# Altium PCB CarrierBoard.PcbDoc (part 1 of 2) (continued)
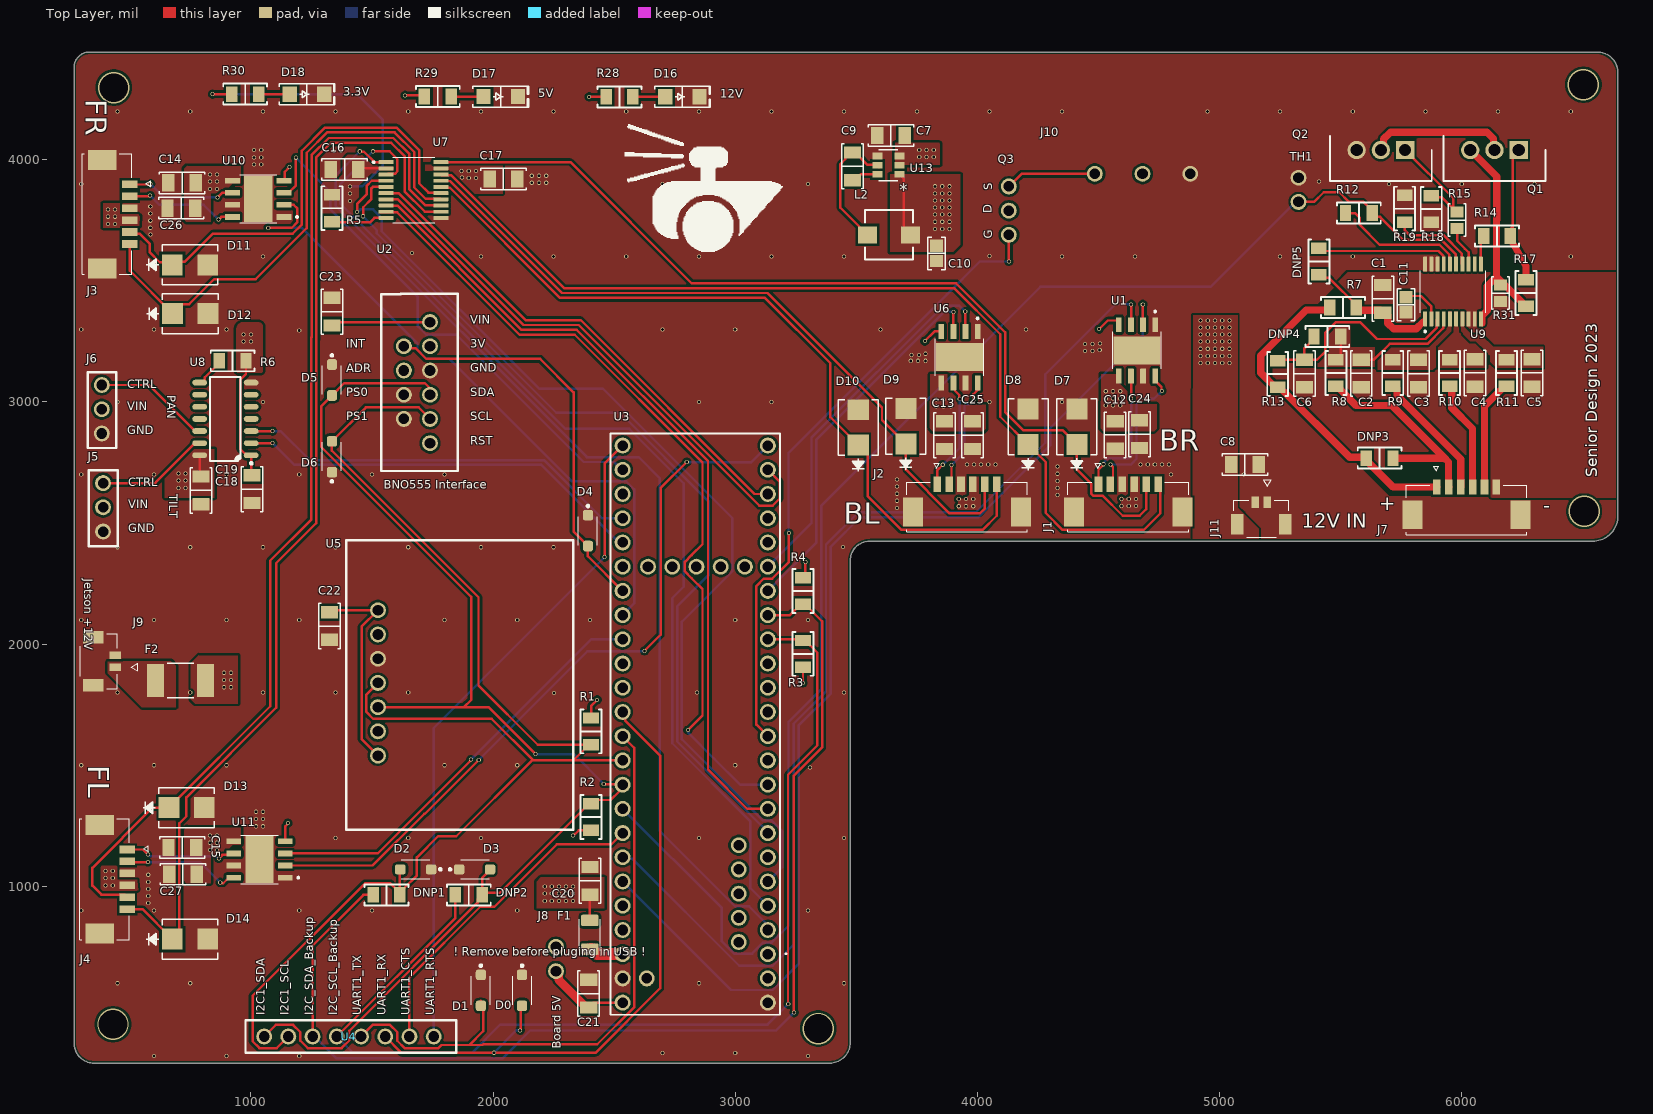
[diagram p0: Top Layer view]
## Footprints (in the part's own frame and the unit in brackets; to place one, negate y for a bottom-side part, rotate by r counter-clockwise, add the part's x,y. Pads: shape width x height; smd on the part's side, far side on the other; paste and mask are expansions set on the pad) (continued)
SMB_DIO [mm]
  rect 2.18x2.21 smd paste+0 mask+0: 1(-1.857,0) 2(1.857,0)
  silkscreen extent -4.57,-2.1 2.92,2.1, body extent -2.8,-1.97 2.8,1.97, height 2.45
SODFL3718X108N [mm]
  rrect50% 1.12x1.08 smd: A(1.6,0) C(-1.645,0)
  silkscreen extent -2.72,-1 1.5,1
SOIC_05WU-7_DIO [mm]
  rect 1.016x0.7 smd paste+0 mask+0: 1(-1.302,0.95) 2(-1.302,0) 3(-1.302,-0.95) 4(0.997,-0.95) 5(0.997,0) 6(0.997,0.95)
  silkscreen extent -1.1,-1.63 0.85,1.63, body extent -1.52,-1.52 1.27,1.47, height 0.99
SOP65P640X120-20N [mm]
  rrect25% 1.57x0.41 smd: 1(-2.87,2.925) 2(-2.87,2.275) 3(-2.87,1.625) 4(-2.87,0.975) 5(-2.87,0.325) 6(-2.87,-0.325) 7(-2.87,-0.975) 8(-2.87,-1.625) 9(-2.87,-2.275) 10(-2.87,-2.925) 11(2.87,-2.925) 12(2.87,-2.275) 13(2.87,-1.625) 14(2.87,-0.975) 15(2.87,-0.325) 16(2.87,0.325) 17(2.87,0.975) 18(2.87,1.625) 19(2.87,2.275) 20(2.87,2.925)
  silkscreen extent -4.29,-3.45 2.2,3.45, body extent -3.2,-3.25 3.2,3.25, height 1.2
"Teensy 4.1" [mm] "Designators are set to match the actual number order of the pins, not their digital values."
  round 1.665 hole 1.11: 0(2.032,2.159) 1(4.572,2.159) 2(7.112,2.159) 3(9.652,2.159) 4(12.192,2.159) 5(14.732,2.159) 6(17.272,2.159) 7(19.812,2.159) 8(22.352,2.159) 9(24.892,2.159) 10(27.432,2.159) 11(29.972,2.159) 12(32.512,2.159) 13(35.052,2.159) 14(37.592,2.159) 15(40.132,2.159) 16(42.672,2.159) 17(45.212,2.159) 18(47.752,2.159) 19(50.292,2.159) 20(52.832,2.159) 21(55.372,2.159) 22(57.912,2.159) 23(60.452,2.159) 24(2.032,17.399) 25(4.572,17.399) 26(7.112,17.399) 27(9.652,17.399) 28(12.192,17.399) 29(14.732,17.399) 30(17.272,17.399) 31(19.812,17.399) 32(22.352,17.399) 33(24.892,17.399) 34(27.432,17.399) 35(29.972,17.399) 36(32.512,17.399) 37(35.052,17.399) 38(37.592,17.399) 39(40.132,17.399) 40(42.672,17.399) 41(45.212,17.399) 42(47.752,17.399) 43(50.292,17.399) 44(52.832,17.399) 45(55.372,17.399) 46(57.912,17.399) 47(60.452,17.399) ""(4.572,14.859) ""(8.382,5.209) ""(10.922,5.209) ""(13.462,5.209) ""(16.002,5.209) ""(18.542,5.209) ""(47.752,4.572) ""(47.752,7.112) ""(47.752,9.652) ""(47.752,12.192) ""(47.752,14.732)
  silkscreen extent 0.76,0.21 61.72,18.67, body extent -0.23,0.99 61.98,18.77, height 5.04
"Terminal Holes" [mm]
  round 1.665 hole 1.11: 0(0,0) 1(5,0) 2(10,0)
  body extent -2.7,-3.96 12.45,4.04, height 10
"TI SOIC-14 D" [mm] "SOP, 14-Leads, Body 8.65x3.90mm, Pitch 1.27mm, IPC Medium Density"
  oval 1.55x0.6 smd: 1(-2.7,3.81) 2(-2.7,2.54) 3(-2.7,1.27) 4(-2.7,0) 5(-2.7,-1.27) 6(-2.7,-2.54) 7(-2.7,-3.81) 8(2.7,-3.81) 9(2.7,-2.54) 10(2.7,-1.27) 11(2.7,0) 12(2.7,1.27) 13(2.7,2.54) 14(2.7,3.81)
  silkscreen extent -2.85,-4.4 1.6,4.78, body extent -3.01,-4.33 3.01,4.32, height 1.65
TO254P470X1016X2005-3P [mm]
  rect 1.92x1.92 / inner round 1.92 / far side rect 1.92x1.92 hole 1.28: 1(0,0)
  round 1.92 hole 1.28: 2(2.54,0) 3(5.08,0)
  silkscreen extent -2.8,-1.48 7.88,3.22, body extent -10,-3.38 10,3.38, height 5.8
VREG_LM5017MR/NOPB [mm]
  rrect5% 1.55x0.6 smd mask+0: 1(-2.7,1.905) 2(-2.7,0.635) 3(-2.7,-0.635) 4(-2.7,-1.905) 5(2.7,-1.905) 6(2.7,-0.635) 7(2.7,0.635) 8(2.7,1.905)
  rect 2.95x4.9 smd paste-3 mask+0: 9(0,0)
  silkscreen extent -4.17,-2.52 1.95,2.52, body extent -3,-2.45 3,2.45, height 1.7
"Xavier Interface" [mm]
  round 1.665 hole 1.11: 3(8.128,4.039) 5(10.668,4.039) 8(13.208,4.039) 10(15.748,4.039) 11(20.828,4.039) 27(3.048,4.039) 28(5.588,4.039) 36(18.288,4.039)
  silkscreen extent 1.09,2.34 23.19,5.77

## Part data
C1 C2 C3 C4 C5 C6 C7 C8 C9 C12 C13 C14 C15 C16 C17 C18 C19 C20 C21 C22 C23: library part CC1206MRY5V9BB104, "CAP CER 0.1UF 50V Y5V 1206", Device Package="1206 (3216 Metric)", manufacturer=Yageo, Operating Temperature="-30°C ~ 85°C", Supplier Part Number 1=311-4504-1-ND, Temperature Coefficient="Y5V (F)", Tolerance=±20%, Voltage - Rated=50V, Applications="General Purpose", Capacitance="0.1 µF", componentlink1description=Datasheet, componentlink1url=http://www.yageo.com/documents/recent/UPY-GPHC_Y5V_6.3V-to-50V_8.pdf, componentlink2description="DigiKey Link", componentlink2url=https://www.digikey.com/en/products/detail/yageo/CC1206MRY5V9BB104/5884674, lastupdated="3/20/2023 7:15:05 PM", Lifecycle Status=Active, Minimum Order=1, Mounting Type="Surface Mount, MLCC", Package / Case="1206 (3216 Metric)", packaging=TapeAndReel, Part Number=CC1206MRY5V9BB104, Part Status=Active, partid=18711, price=0.05, series=CC, Size / Dimension="0.126\" L x 0.063\" W (3.20mm x 1.60mm)", Supplier 1=DigiKey, Thickness (Max)="0.028\" (0.70mm)"
C10: library part CL21A226KOQNNNG, "CAP CER 22UF 16V X5R 0805", Device Package="0805 (2012 Metric)", manufacturer="Samsung Electro-Mechanics", Operating Temperature="-55°C ~ 85°C", Supplier Part Number 1=1276-7092-1-ND, Temperature Coefficient=X5R, Tolerance=±10%, Voltage - Rated=16V, Applications="General Purpose", Capacitance="22 µF", componentlink1description=Datasheet, componentlink1url=//media.digikey.com/pdf/Data%20Sheets/Samsung%20PDFs/CL21A226KOQNNNG_Spec.pdf, componentlink2description="DigiKey Link", componentlink2url=https://www.digikey.com/en/products/detail/samsung-electro-mechanics/CL21A226KOQNNNG/3894433, lastupdated="3/20/2023 7:12:43 PM", Lifecycle Status=Active, Minimum Order=1, Mounting Type="Surface Mount, MLCC", Package / Case="0805 (2012 Metric)", packaging=TapeAndReel, Part Number=CL21A226KOQNNNG, Part Status=Active, partid=3000, price=0.06, series=CL, Size / Dimension="0.079\" L x 0.049\" W (2.00mm x 1.25mm)", Supplier 1=DigiKey, Thickness (Max)="0.055\" (1.40mm)"
C11: library part GCJ21BR71H105KA01L, "CAP CER 1UF 50V X7R 0805", Device Package="0805 (2012 Metric)", manufacturer="Murata Electronics", Operating Temperature="-55°C ~ 125°C", Ratings=AEC-Q200, Supplier Part Number 1=490-10667-1-ND, Temperature Coefficient=X7R, Tolerance=±10%, Voltage - Rated=50V, Applications="Automotive, Boardflex Sensitive", Capacitance="1 µF", componentlink1description=Datasheet, componentlink1url=https://www.murata.com/~/media/webrenewal/support/library/catalog/products/capacitor/mlcc/c03e.ashx?la=en-us, componentlink2description="DigiKey Link", componentlink2url=https://www.digikey.com/en/products/detail/murata-electronics/GCJ21BR71H105KA01L/4903512, Features="Soft Termination", lastupdated="3/20/2023 7:12:43 PM", Lifecycle Status=Active, Minimum Order=1, Mounting Type="Surface Mount, MLCC", Package / Case="0805 (2012 Metric)", packaging=TapeAndReel, Part Number=GCJ21BR71H105KA01L, Part Status=Active, partid=2709, price=0.05, series=GCJ, Size / Dimension="0.079\" L x 0.049\" W (2.00mm x 1.25mm)", Supplier 1=DigiKey, Thickness (Max)="0.057\" (1.45mm)"
C24 C25 C26 C27: library part JMK316ABJ476MD-T, "CAP CER 47UF 6.3V X5R 1206", Device Package="1206 (3216 Metric)", manufacturer="Taiyo Yuden", Operating Temperature="-55°C ~ 85°C", Supplier Part Number 1=587-6329-1-ND, Temperature Coefficient=X5R, Tolerance=±20%, Voltage - Rated=6.3V, Applications="SMPS Filtering", Capacitance="47 µF", componentlink1description=Datasheet, componentlink1url=https://www.yuden.co.jp/productdata/catalog/mlcc01_e.pdf, componentlink2description="DigiKey Link", componentlink2url=https://www.digikey.com/en/products/detail/taiyo-yuden/JMK316ABJ476MD-T/4970735, lastupdated="3/20/2023 7:14:47 PM", Lifecycle Status=Active, Minimum Order=1, Mounting Type="Surface Mount, MLCC", Package / Case="1206 (3216 Metric)", packaging=TapeAndReel, Part Number=JMK316ABJ476MD-T, Part Status=Active, partid=20554, price=0.31, series=M, Size / Dimension="0.126\" L x 0.063\" W (3.20mm x 1.60mm)", Supplier 1=DigiKey, Thickness (Max)="0.037\" (0.95mm)"
D0 D1 D2 D3 D4 D5 D6: "6.8V Clamp 30A Ipp Tvs Diode Surface Mount SOD-123FL", Package="SOD-123 Littelfuse", Digi-Key_Part_Number=F7701CT-ND, Digi-Key_Purchase_URL=https://www.digikey.ca/product-detail/en/littelfuse-inc/SMF3.3/F7701CT-ND/6189041?utm_source=snapeda&utm_medium=aggregator&utm_campaign=symbol, MF="Littelfuse Inc.", MP=SMF3.3, SnapEDA_Link=https://www.snapeda.com/parts/SMF3.3/Littelfuse%20Inc./view-part/814507/?ref=snap
D7 D8 D9 D10 D11 D12 D13 D14: "DIODE ZENER 6.2V 600W"
D16 D17 D18: library part LTST-C150TBKT, "LED BLUE CLEAR 1206 SMD", Current - Test=20mA, Device Package="1206 (3216 Metric)", Lens Color=Colorless, manufacturer="Lite-On Inc.", Millicandela Rating=104mcd, Supplier Device Package=1206, Supplier Part Number 1=160-1643-1-ND, Voltage - Forward (Vf) (Typ)=3.3V, Color=Blue, componentlink1description=Datasheet, componentlink1url=http://optoelectronics.liteon.com/upload/download/DS22-2000-026/LTST-C150TBKT(0630).pdf, componentlink2description="DigiKey Link", componentlink2url=http://digikey.com/product-detail/en/lite-on-inc/LTST-C150TBKT/160-1643-1-ND/573584, Configuration=Standard, Height (Max)=1.10mm, lastupdated="3/20/2023 7:58:08 PM", Lens Size="2.06mm x 1.60mm", Lens Style="Rectangle with Flat Top", Lens Transparency=Clear, Lifecycle Status=Active, Minimum Order=1, Mounting Type="Surface Mount", Package / Case="1206 (3216 Metric)", packaging=TapeAndReel, Part Number=LTST-C150TBKT, Part Status=Active, partid=744, price=0.08, series=-, Size / Dimension="3.20mm L x 1.60mm W", Supplier 1=DigiKey, Viewing Angle=130°, Wavelength - Dominant=470nm, Wavelength - Peak=468nm
DNP1 DNP2 DNP3 DNP4 DNP5: library part RC1206JR-7W0RL, "RES 0 OHM JUMPER 1/2W 1206", Device Package="1206 (3216 Metric)", manufacturer=Yageo, Operating Temperature="-55°C ~ 155°C", Power (Watts)="0.5W, 1/2W", Supplier Device Package=1206, Supplier Part Number 1=13-RC1206JR-7W0RLCT-ND, Tolerance=Jumper, componentlink1description=Datasheet, componentlink1url=https://www.yageo.com/upload/media/product/productsearch/datasheet/rchip/PYu-RC_Group_51_RoHS_L_11.pdf, componentlink2description="DigiKey Link", componentlink2url=https://www.digikey.com/en/products/detail/yageo/RC1206JR-7W0RL/12698846, Composition="Thick Film", Features="Moisture Resistant", Height - Seated (Max)="0.026\" (0.65mm)", lastupdated="3/20/2023 7:35:33 PM", Lifecycle Status=Active, Minimum Order=1, Number of Terminations=2, Package / Case="1206 (3216 Metric)", packaging=TapeAndReel, Part Number=RC1206JR-7W0RL, Part Status=Active, partid=66997, price=0.01, Resistance="0 Ohms", series=RC_L, Size / Dimension="0.122\" L x 0.063\" W (3.10mm x 1.60mm)", Supplier 1=DigiKey
F1: "Polymeric PTC Resettable Fuse 60V 100 mA Ih Surface Mount 1206 (3216 Metric), Concave", Package="1206 Bel Fuse", Availability=Unavailable, MF="Bel Fuse", MP=0ZCJ0010FF2E, price=None, SnapEDA_Link=https://www.snapeda.com/parts/0ZCJ0010FF2E/Bel%20Fuse%20Inc./view-part/1315579/?ref=snap
F2: "Polymeric PTC Resettable Fuse 24V 1.5 A Ih Surface Mount 1812 (4532 Metric), Concave", Mfr_Name=Belfuse, Copyright="Copyright (C) 2023 Ultra Librarian. All rights reserved.", Digi-Key_Part_Number_1=507-1773-1-ND, Digi-Key_Part_Number_2=507-1773-2-ND, Digi-Key_Part_Number_3=507-1773-6-ND, Manufacturer_Part_Number=0ZCG0150BF2C, RefDes=RefDes, Type=DEV
J1 J2 J3 J4 J7: "Conn Shrouded Header (4 Sides) HDR 6 POS 1.25mm Solder RA Side Entry SMD PicoBlade™ T/R"
J5 J6: "3P jumper header"
J9 J11: "1.25mm Pitch, Micro-Lock Plus PCB Header, Single Row, Vertical, Surface Mount, Tin-Bismuth Plating, Positive Lock, 2 Circuits, with Pick-and-Place Polyimide Tape, Black", Package=None, Availability="In Stock", Check_prices=https://www.snapeda.com/parts/5055680271/Molex/view-part/?ref=eda, MF=Molex, MP=5055680271, price=None, Purchase-URL=https://pricing.snapeda.com/search/part/5055680271/?ref=eda, SnapEDA_Link=https://www.snapeda.com/parts/5055680271/Molex/view-part/?ref=snap
L2: library part SRP5030T-4R7M, "FIXED IND 4.7UH 4.6A 53 MOHM SMD", Current - Saturation=6A, Current Rating (Amps)="4.6 A", DC Resistance (DCR)="53mOhm Max", Device Package=Nonstandard, Inductance Frequency - Test="100 kHz", manufacturer="Bourns Inc.", Operating Temperature="-40°C ~ 125°C", Supplier Part Number 1=SRP5030T-4R7MCT-ND, Tolerance=±20%, componentlink1description=Datasheet, componentlink1url=https://www.bourns.com/docs/Product-Datasheets/SRP5030T.pdf, componentlink2description="DigiKey Link", componentlink2url=https://www.digikey.com/en/products/detail/bourns-inc/SRP5030T-4R7M/3986084, Height - Seated (Max)="0.118\" (3.00mm)", Inductance="4.7 µH", lastupdated="3/20/2023 8:00:56 PM", Lifecycle Status=Active, Material - Core="Iron Powder", Minimum Order=1, Mounting Type="Surface Mount", Package / Case=Nonstandard, packaging=TapeAndReel, Part Number=SRP5030T-4R7M, Part Status=Active, partid=1, price=0.61, series=SRP5030T, Shielding=Shielded, Size / Dimension="0.224\" L x 0.205\" W (5.70mm x 5.20mm)", Supplier 1=DigiKey, Type="Drum Core, Wirewound"
Q1 Q2: "40V, N ch NexFET MOSFET, single TO-220, 2.9mOhm", Manufacturer_Name="Texas Instruments", Mouser Part Number=595-CSD18502KCS, Datasheet Link=http://www.ti.com/lit/gpn/csd18502kcs, Geometry.Height=4.7mm, Manufacturer_Part_Number=CSD18502KCS, Mouser Price/Stock=https://www.mouser.co.uk/ProductDetail/Texas-Instruments/CSD18502KCS?qs=vnbNJPHmPnMgIZsUWlws9A%3D%3D
Q3: "Standin fro PWM mosfet for Light bar"
R1 R2 R3 R4 R5 R6: library part CRG1206F4K7, "RES SMD 4.7K OHM 1% 1/4W 1206", Device Package="1206 (3216 Metric)", manufacturer="TE Connectivity Passive Product", Operating Temperature="-55°C ~ 155°C", Power (Watts)="0.25W, 1/4W", Supplier Device Package=1206, Supplier Part Number 1=A106078CT-ND, Temperature Coefficient=±100ppm/°C, Tolerance=±1%, componentlink1description=Datasheet, componentlink1url=https://www.te.com/commerce/DocumentDelivery/DDEController?Action=srchrtrv&DocNm=1773204&DocType=DS&DocLang=English, componentlink2description="DigiKey Link", componentlink2url=https://www.digikey.com/en/products/detail/te-connectivity-passive-product/CRG1206F4K7/2381014, Composition="Thick Film", Height - Seated (Max)="0.026\" (0.65mm)", lastupdated="3/20/2023 7:37:21 PM", Lifecycle Status=Active, Minimum Order=1, Number of Terminations=2, Package / Case="1206 (3216 Metric)", packaging=TapeAndReel, Part Number=CRG1206F4K7, Part Status=Active, partid=26987, price=0.01, Resistance="4.7 kOhms", series="CRG, Neohm", Size / Dimension="0.122\" L x 0.061\" W (3.10mm x 1.55mm)", Supplier 1=DigiKey
R7 R8 R9 R10 R11 R13: library part RNCS1206BKE1K00, "RES 1K OHM 0.1% 1/8W 1206", Device Package="1206 (3216 Metric)", manufacturer="Stackpole Electronics Inc", Operating Temperature="-55°C ~ 155°C", Power (Watts)="0.125W, 1/8W", Ratings=AEC-Q200, Supplier Device Package=1206, Supplier Part Number 1=RNCS1206BKE1K00CT-ND, Temperature Coefficient=±25ppm/°C, Tolerance=±0.1%, componentlink1description=Datasheet, componentlink1url=https://www.seielect.com/catalog/sei-rncs_rnch.pdf, componentlink2description="DigiKey Link", componentlink2url=https://www.digikey.com/en/products/detail/stackpole-electronics-inc/RNCS1206BKE1K00/1800333, Composition="Thin Film", Features="Anti-Corrosive, Automotive AEC-Q200, Moisture Resistant", Height - Seated (Max)="0.026\" (0.65mm)", lastupdated="3/20/2023 7:37:22 PM", Lifecycle Status=Active, Minimum Order=1, Number of Terminations=2, Package / Case="1206 (3216 Metric)", packaging=TapeAndReel, Part Number=RNCS1206BKE1K00, Part Status=Active, partid=26856, price=0.09, Resistance="1 kOhms", series=RNCS, Size / Dimension="0.120\" L x 0.061\" W (3.05mm x 1.55mm)", Supplier 1=DigiKey
R12 R19: library part CRG1206F10K, "RES SMD 10K OHM 1% 1/4W 1206", Device Package="1206 (3216 Metric)", manufacturer="TE Connectivity Passive Product", Operating Temperature="-55°C ~ 155°C", Power (Watts)="0.25W, 1/4W", Supplier Device Package=1206, Supplier Part Number 1=A106069CT-ND, Temperature Coefficient=±100ppm/°C, Tolerance=±1%, componentlink1description=Datasheet, componentlink1url=https://www.te.com/commerce/DocumentDelivery/DDEController?Action=srchrtrv&DocNm=1773204&DocType=DS&DocLang=English, componentlink2description="DigiKey Link", componentlink2url=https://www.digikey.com/en/products/detail/te-connectivity-passive-product/CRG1206F10K/2389909, Composition="Thick Film", Height - Seated (Max)="0.026\" (0.65mm)", lastupdated="3/20/2023 7:37:21 PM", Lifecycle Status=Active, Minimum Order=1, Number of Terminations=2, Package / Case="1206 (3216 Metric)", packaging=TapeAndReel, Part Number=CRG1206F10K, Part Status=Active, partid=26989, price=0.01, Resistance="10 kOhms", series="CRG, Neohm", Size / Dimension="0.122\" L x 0.061\" W (3.10mm x 1.55mm)", Supplier 1=DigiKey
R14: library part RNCP1206FTD4K53, "RES 4.53K OHM 1% 1/2W 1206", Device Package="1206 (3216 Metric)", manufacturer="Stackpole Electronics Inc", Operating Temperature="-55°C ~ 155°C", Power (Watts)="0.5W, 1/2W", Supplier Device Package=1206, Supplier Part Number 1=RNCP1206FTD4K53CT-ND, Temperature Coefficient=±100ppm/°C, Tolerance=±1%, componentlink1description=Datasheet, componentlink1url=https://www.seielect.com/catalog/sei-rncp.pdf, componentlink2description="DigiKey Link", componentlink2url=https://www.digikey.com/en/products/detail/stackpole-electronics-inc/RNCP1206FTD4K53/2240357, Composition="Thin Film", Features=Anti-Sulfur, Height - Seated (Max)="0.025\" (0.65mm)", lastupdated="3/20/2023 7:37:08 PM", Lifecycle Status=Active, Minimum Order=1, Number of Terminations=2, Package / Case="1206 (3216 Metric)", packaging=TapeAndReel, Part Number=RNCP1206FTD4K53, Part Status=Active, partid=29215, price=0.01, Resistance="4.53 kOhms", series=RNCP, Size / Dimension="0.122\" L x 0.059\" W (3.10mm x 1.50mm)", Supplier 1=DigiKey
R15: library part SR0805JR-7W1KL, "RES 1K OHM 5% 1/4W 0805", Device Package="0805 (2012 Metric)", manufacturer=Yageo, Operating Temperature="-55°C ~ 155°C", Power (Watts)="0.25W, 1/4W", Ratings=AEC-Q200, Supplier Device Package=0805, Supplier Part Number 1=YAG6171CT-ND, Temperature Coefficient=±100ppm/°C, Tolerance=±5%, componentlink1description=Datasheet, componentlink1url=http://www.yageo.com/documents/recent/PYu-SR_20105_RoHS_L_8.pdf, componentlink2description="DigiKey Link", componentlink2url=https://www.digikey.com/en/products/detail/yageo/SR0805JR-7W1KL/9696409, Composition="Thick Film", Features="Automotive AEC-Q200, Pulse Withstanding", Height - Seated (Max)="0.024\" (0.60mm)", lastupdated="3/20/2023 7:43:37 PM", Lifecycle Status=Active, Minimum Order=1, Number of Terminations=2, Package / Case="0805 (2012 Metric)", packaging=TapeAndReel, Part Number=SR0805JR-7W1KL, Part Status=Active, partid=30716, price=0.03, Resistance="1 kOhms", series=SR, Size / Dimension="0.079\" L x 0.049\" W (2.00mm x 1.25mm)", Supplier 1=DigiKey
R17 R18: library part MCA1206MD1004BP100, "MCA 1206-25 0.1% AT P1 1M0", Device Package="1206 (3216 Metric)", manufacturer="Vishay Beyschlag", Operating Temperature="-55°C ~ 155°C", Power (Watts)="0.4W, 2/5W", Ratings=AEC-Q200, Supplier Device Package=1206, Supplier Part Number 1=749-MCA1206MD1004BP100CT-ND, Temperature Coefficient=±25ppm/°C, Tolerance=±0.1%, componentlink2description="DigiKey Link", componentlink2url=http://digikey.com/product-detail/en/vishay-beyschlag/MCA1206MD1004BP100/749-MCA1206MD1004BP100CT-ND/11196621, Composition="Thin Film", Features="Anti-Sulfur, Automotive AEC-Q200", lastupdated="3/20/2023 7:35:50 PM", Lifecycle Status=Active, Minimum Order=1, Number of Terminations=2, Package / Case="1206 (3216 Metric)", packaging=TapeAndReel, Part Number=MCA1206MD1004BP100, Part Status=Active, partid=50044, price=0.38, Resistance="1 MOhms", series="MCA AT - Precision", Supplier 1=DigiKey
R28: library part CRGCQ1206F820R, "RES 820 OHM 1% 1/4W 1206", Device Package="1206 (3216 Metric)", manufacturer="TE Connectivity Passive Product", Operating Temperature="-55°C ~ 155°C", Power (Watts)="0.25W, 1/4W", Ratings=AEC-Q200, Supplier Device Package=1206, Supplier Part Number 1=A129809CT-ND, Temperature Coefficient=±100ppm/°C, Tolerance=±1%, componentlink1description=Datasheet, componentlink1url=https://www.te.com/commerce/DocumentDelivery/DDEController?Action=srchrtrv&DocNm=1773204-3&DocType=DS&DocLang=English, componentlink2description="DigiKey Link", componentlink2url=https://www.digikey.com/en/products/detail/te-connectivity-passive-product/CRGCQ1206F820R/8576411, Composition="Thick Film", Features="Automotive AEC-Q200, Moisture Resistant", Height - Seated (Max)="0.026\" (0.65mm)", lastupdated="3/20/2023 7:37:21 PM", Lifecycle Status=Active, Minimum Order=1, Number of Terminations=2, Package / Case="1206 (3216 Metric)", packaging=TapeAndReel, Part Number=CRGCQ1206F820R, Part Status=Active, partid=26992, price=0.01, Resistance="820 Ohms", series=CRGCQ, Size / Dimension="0.122\" L x 0.061\" W (3.10mm x 1.55mm)", Supplier 1=DigiKey
R29: library part RMCF1206FT360R, "RES 360 OHM 1% 1/4W 1206", Device Package="1206 (3216 Metric)", manufacturer="Stackpole Electronics Inc", Operating Temperature="-55°C ~ 155°C", Power (Watts)="0.25W, 1/4W", Ratings=AEC-Q200, Supplier Device Package=1206, Supplier Part Number 1=RMCF1206FT360RCT-ND, Temperature Coefficient=±100ppm/°C, Tolerance=±1%, componentlink1description=Datasheet, componentlink1url=https://www.seielect.com/catalog/sei-rmcf_rmcp.pdf, componentlink2description="DigiKey Link", componentlink2url=https://www.digikey.com/en/products/detail/stackpole-electronics-inc/RMCF1206FT360R/1759905, Composition="Thick Film", Features="Automotive AEC-Q200", Height - Seated (Max)="0.028\" (0.70mm)", lastupdated="3/20/2023 7:36:13 PM", Lifecycle Status=Active, Minimum Order=1, Number of Terminations=2, Package / Case="1206 (3216 Metric)", packaging=CutTape, Part Number=RMCF1206FT360R, Part Status=Active, partid=41716, price=0.01, Resistance="360 Ohms", series=RMCF, Size / Dimension="0.126\" L x 0.063\" W (3.20mm x 1.60mm)", Supplier 1=DigiKey
R30: library part RCS1206240RFKEA, "RCS1206 100 240R 1% ET1 E3", Device Package="1206 (3216 Metric)", manufacturer="Vishay Dale", Operating Temperature="-55°C ~ 155°C", Power (Watts)="0.5W, 1/2W", Ratings=AEC-Q200, Supplier Device Package=1206, Supplier Part Number 1=541-RCS1206240RFKEACT-ND, Temperature Coefficient=±100ppm/°C, Tolerance=±1%, componentlink1description=Datasheet, componentlink1url=https://www.vishay.com/docs/20065/rcse3.pdf, componentlink2description="DigiKey Link", componentlink2url=https://www.digikey.com/en/products/detail/vishay-dale/RCS1206240RFKEA/12446277, Composition="Thick Film", Features="Automotive AEC-Q200, Pulse Withstanding", Height - Seated (Max)="0.026\" (0.65mm)", lastupdated="3/20/2023 7:35:45 PM", Lifecycle Status=Active, Minimum Order=1, Number of Terminations=2, Package / Case="1206 (3216 Metric)", packaging=TapeAndReel, Part Number=RCS1206240RFKEA, Part Status=Active, partid=58743, price=0.04, Resistance="240 Ohms", series="RCS e3", Size / Dimension="0.126\" L x 0.063\" W (3.20mm x 1.60mm)", Supplier 1=DigiKey
R31: library part CSS0508FT1L00, "RES 0.001 OHM 1W 1% 0508 SMD", Device Package="0805 (2012 Metric)", manufacturer="Stackpole Electronics Inc", Operating Temperature="-55°C ~ 155°C", Power (Watts)=1W, Ratings=AEC-Q200, Supplier Device Package=0508, Supplier Part Number 1=CSS0508FT1L00CT-ND, Temperature Coefficient=±150ppm/°C, Tolerance=±1%, componentlink1description=Datasheet, componentlink1url=https://www.seielect.com/catalog/sei-css_cssh.pdf, componentlink2description="DigiKey Link", componentlink2url=https://www.digikey.com/en/products/detail/stackpole-electronics-inc/CSS0508FT1L00/10329022, Composition="Metal Element", Features="Automotive AEC-Q200, Current Sense", Height - Seated (Max)="0.017\" (0.42mm)", lastupdated="3/20/2023 7:42:55 PM", Lifecycle Status=Active, Minimum Order=1, Number of Terminations=2, Package / Case="0805 (2012 Metric)", packaging=TapeAndReel, Part Number=CSS0508FT1L00, Part Status=Active, partid=66673, price=0.11, Resistance="1 mOhms", series=CSS, Size / Dimension="0.049\" L x 0.079\" W (1.25mm x 2.00mm)", Supplier 1=DigiKey
TH1: "NTC Thermistors 10kohm 1%"
U1 U6 U10 U11: "45-V, 3.6-A H-bridge motor driver with current regulation 8-SO PowerPAD -40 to 125", Package="HSOIC-8 Texas Instruments", Digi-Key_Part_Number=296-42660-1-ND, MF="Texas Instruments", MP=DRV8870DDAR, Purchase-URL=https://pricing.snapeda.com/search/part/DRV8870DDAR/?ref=eda, SnapEDA_Link=https://www.snapeda.com/parts/DRV8870DDAR/Texas%20Instruments/view-part/591151/?ref=snap
U3: "This is a 1-1 model of the Teensy 4.1, each pin number represents the order in which they appear on the board.  / ********The pins are labelled differently according their digital pin number so keep that in mind when referencing."
U4: "Just the GPIO expansion header for the Jetson Xavier NX Dev Board, this is so there is a contact point on the board placed next to the mount of the board to interface with other compenents"
U7: "8-Bit Bidirectional Voltage-Level Shifter with Auto Direction Sensing and +/-15-kV ESD Protect", Package="TSSOP-20 Texas Instruments", Check_prices=https://www.snapeda.com/parts/TXB0108PWR/Texas+Instruments/view-part/?ref=eda, Digi-Key_Part_Number=296-21527-2-ND, MF="Texas Instruments", MP=TXB0108PWR, Purchase-URL=https://pricing.snapeda.com/search/part/TXB0108PWR/?ref=eda, SnapEDA_Link=https://www.snapeda.com/parts/TXB0108PWR/Texas+Instruments/view-part/?ref=snap
U8: "IC TRNSLTR BIDIRECTIONAL 14SOIC", Device Package="14-SOIC (0.154\", 3.90mm Width)", manufacturer="Texas Instruments", Operating Temperature="-40°C ~ 85°C (TA)", Supplier Device Package=14-SOIC, Supplier Part Number 1=296-34698-5-ND, Voltage - VCCA="1.2V ~ 3.6V", Voltage - VCCB="1.65V ~ 5.5V", Channel Type=Bidirectional, Channels per Circuit=4, componentlink1description=Datasheet, componentlink1url=http://www.ti.com/general/docs/suppproductinfo.tsp?distId=10&gotoUrl=http%3A%2F%2Fwww.ti.com%2Flit%2Fgpn%2Ftxb0104, componentlink2description="DigiKey Link", componentlink2url=http://digikey.com/product-detail/en/texas-instruments/TXB0104D/296-34698-5-ND/1910151, Data Rate=100Mbps, Features="Auto-Direction Sensing", lastupdated="5/13/2020 5:09:43 PM", Lifecycle Status=Active, Minimum Order=1, Mounting Type="Surface Mount", Number of Circuits=1, Output Type="Tri-State, Non-Inverted", Package / Case="14-SOIC (0.154\", 3.90mm Width)", packaging=Tube, Part Number=TXB0104D, Part Status=Active, price=1.53, series=-, Supplier 1=DigiKey, Translator Type="Voltage Level"
U13: "No Description Available", Mfr_Name="Diodes Inc", Copyright="Copyright (C) 2023 Ultra Librarian. All rights reserved.", Digi-Key_Part_Number_1=AP63205WU-7DITR-ND, Digi-Key_Part_Number_2=AP63205WU-7DICT-ND, Digi-Key_Part_Number_3=AP63205WU-7DIDKR-ND, Manufacturer_Part_Number=AP63205WU-7, RefDes=RefDes, Type=DEV

## Via types
v1: diameter 17, hole 12, Top Layer to Bottom Layer, tented both sides, 385 vias
v2: diameter 130, hole 118.11, Top Layer to Bottom Layer, 5 vias

## Nets (pads, with @x,y where several pads share a name; then routed paths per layer and width w, separated by ;. In a path a pad name is that pad's centre, name@x,y a point inside that pad or via, vN(x,y) a via of type N, cw(c..) or ccw(c..) an arc to the next point about the centre after c; other vN are vias at no path point)
3V3: C16.1 C18.1 C20.1 C22.1 C23.1 F1.2 R1.2 R2.2 R3.2 R4.2 R5.1 R6.2 R30.1 U2.0 U5.0 U5.6 U7.2 U8.1 | length 7752.3
  Top Layer w10: v1(842,4271) R30.1@921.76,4271 ; R6.2@980.12,3170 980.12,3115.44 955.79,3091.11 955.79,2806.81 982.6,2780 U8.1@1001.3,2780 1001.3,2695.79 C18.1@1005,2692.09 ; C22.1@1325,2132.09 1332.91,2140 U5.0@1525,2140 1457.22,2072.22 1457.22,1607.78 U5.6@1525,1540 ; C23.1@1335,3315.83 1349.17,3330 U2.0@1740,3330 ; C16.1@1448.74,3964.57 U7.2@1534.76,3964.57 ; v1(2330,1210) 2332.71,1210 2354.4,1231.69 R2.2@2405,1231.69 ; F1.2@2400,859.25 C20.1@2400,965.83 ; R1.2@2405,1695.24 2405,1745 v1(2430,1770) ; v1(3280,1840) R3.2@3280,1904.88 ; R4.2@3290,2285.12 v1(3290,2340)
  Top Layer w30: R4.2@3280,2275.12 ccw(c3280,2285.12) R4.2@3290,2285.12
  GND1 w10: U5.6@1525,1540 1769.73,1295.27 2023.98,1295.27 2260,1059.25 2272,1047.25 v1(2272,1000)
  GND1 w30: v1(970,3250) v1(1000,3250) ; v1(970,3279.25) v1(1000,3279.25) 1050.75,3330 U2.0@1740,3330 1820,3330 1837.57,3347.57 1837.57,3372.43 ; v1(1410,3890) 1515,3785 1515,3695 1837.57,3372.43 ; 2293,1927 2295,1929 2295,2915 1837.57,3372.43
  Bottom Layer w10: v1(842,4271) 1439,4271 1544,4166 1544,3974 1460,3890 v1(1410,3890)
  other v1: 2213.5,940 2242.75,940 2272,940 2301.25,940 2330.5,940 2213.5,970 2242.75,970 2272,970 2301.25,970 2330.5,970 2213.5,1000 2242.75,1000 2301.25,1000 2330.5,1000 1410,3830 1410,3860
5V: C10.2 C17.1 C19.1 J1.4 J2.4 J3.4 J4.4 J5.2 J6.2 J8.1 L2.2 R29.1 U1.4 U6.4 U7.19 U8.14 U10.4 U11.4 U13.1 | length 2134.3
  Top Layer w10: C19.1@788.7,2691.3 C19.1@795,2685 ; C19.1@788.7,2696.3 U8.14@788.7,2780 ; U10.4@1139.89,3914.41 1139.89,3949.89 v1(1160,3970) ; U11.4@1142.3,1186 1142.3,1247.83 1152.9,1258.43 v1(1152.9,1261.14) ; v1(1637,4266) 1711.88,4266 R29.1@1716.88,4261 ; U13.1@3683,3935 3696.25,3921.75 3696.25,3717.33 L2.2@3723.58,3690 ; v1(3782.9,3251.14) 3823.06,3291.3 U6.4@3851,3291.3 ; v1(4502.9,3301.14) 4538.06,3336.3 4577.19,3336.3 4584,3329.49 U1.4@4584,3319.3
  GND1 w30: v1(1152.9,1261.14) 1152.9,1189.1 1313,1029 1542,1029 1821,750 J8.1@2260,750
  other v1: 400.75,1004.21 430,1004.21 400.75,1034.21 430,1034.21 400.75,1064.21 430,1064.21 3923.04,2569.42 3953.04,2569.42 3983.04,2569.42 4595.03,2570.78 4625,2570.75 4655,2570.75 3923.04,2598.67 3953.04,2598.67 3983.04,2598.67 4595,2600 4625,2600 4655,2600 700.75,2645 730,2645 700.75,2675 730,2675 700.75,2705 730,2705 3825,3715 3855,3715 3885,3715 410.75,3735 440,3735 3825,3744.25 3855,3744.25 3885,3744.25 410.75,3765 440,3765 3825,3773.5 3855,3773.5 3885,3773.5 410.75,3795 440,3795 3825,3802.75 3855,3802.75 3885,3802.75 3825,3832 3855,3832 3885,3832 3825,3861.25 3855,3861.25 3885,3861.25 3825,3890.5 3855,3890.5 3885,3890.5 1900,3925 1930,3925 1871.96,3926.96 1870,3954.25 1900,3954.25 1930,3954.25
12V: C7.2 C8.2 C12.2 C13.2 C14.2 C15.2 C24.1 C25.1 C26.1 C27.1 F2.1 J10.1 J11.S2 Q3.1 R28.1 U1.5 U6.5 U10.5 U11.5 U13.2 U13.3 | length 69.9
  Top Layer w10: v1(2397,4260) R28.1@2466.88,4260
  other v1: 830.75,1150 860,1150 830.75,1180 860,1180 830.75,1210 860,1210 888.75,1822 918,1822 888.75,1852 918,1852 888.75,1882 918,1882 3830,2980.75 3860,2980.75 3890,2980.75 4530,2985.75 4560,2985.75 4590,2985.75 3830,3010 3860,3010 3890,3010 4530,3015 4560,3015 4590,3015 4530,3044.25 4560,3044.25 4590,3044.25 4921,3161.25 4951,3161.25 4981,3161.25 5011,3161.25 5041,3161.25 4921,3190.5 4951,3190.5 4981,3190.5 5011,3190.5 5041,3190.5 4921,3219.75 4951,3219.75 4981,3219.75 5011,3219.75 5041,3219.75 4921,3249 4951,3249 4981,3249 5011,3249 5041,3249 4921,3278.25 4951,3278.25 4981,3278.25 5011,3278.25 5041,3278.25 4921,3307.5 4951,3307.5 4981,3307.5 5011,3307.5 5041,3307.5 4921,3336.75 4951,3336.75 4981,3336.75 5011,3336.75 5041,3336.75 830.75,3880 860,3880 830.75,3910 860,3910 830.75,3940 860,3940 3760,4010.75 3790,4010.75 3820,4010.75 3760,4040 3790,4040 3820,4040
Batt_GND: C1.1 C2.1 C3.1 C4.1 C5.1 C6.1 C11.2 J7.6 R31.1 U9.8 U9.9
BL_IN1: U3.17 U6.3 | length 1572.6
  Top Layer w10: U6.3@3901,3291.3 v1(3901,3372)
  Bottom Layer w10: U3.17@3135,2220 3135,2220.36 3335,2420.36 3335,2844.61 3862.39,3372 v1(3901,3372)
BL_IN2: U3.18 U6.2 | length 1559.9
  Top Layer w10: v1(3950,3373) 3950.5,3372.5 3950.5,3291.8 U6.2@3951,3291.3
  Bottom Layer w10: U3.18@3135,2320 3315,2500 3315,2852.89 3859.11,3397 3926,3397 v1(3950,3373)
BL_OUT1: J2.1 U6.6 | length 438
  Top Layer w10: J2.1@3833.94,2660 3835,2661.06 3835,2719 v1(3857,2741) ; U6.6@3907.4,3050.4 3907.4,3046.6 3925.09,3028.91 3925.09,3014.91 v1(3927,3013)
  Bottom Layer w10: v1(3857,2741) 3858.64,2741 3926.91,2809.27 3926.91,3012.91 v1(3927,3013)
BL_OUT2: J2.2 U6.8 | length 467.7
  Top Layer w10: J2.2@3883.15,2660 3893,2669.85 v1(3893,2739) ; v1(3983.68,3005.5) 3983.68,3031.68 4003,3051 U6.8@4003,3069.7
  Bottom Layer w10: v1(3893,2739) 3946.91,2792.91 3946.91,2982.91 3954.02,2990.02 3966.3,2990.02 3981.79,3005.5 v1(3983.68,3005.5)
BL_PhaseA: U3.5 U7.4 | length 4106.3
  Top Layer w10: v1(1439.14,3784.5) 1439.14,3817.76 1478,3856.62 1478,3892.22 1499.16,3913.39 U7.4@1534.76,3913.39
  Bottom Layer w10: v1(1439.14,3784.5) 1441.85,3784.5 1452.35,3795 1505,3795 1540,3760 1540,3704.85 2189.85,3055 2453,3055 2987.78,2520.22 2987.78,2300.21 2780,2092.44 2780,1607.44 3115.21,1272.22 3150.34,1272.22 3195,1227.56 3195,1080 U3.5@3135,1020
BL_PhaseB: U3.7 U7.5 | length 3670.4
  Top Layer w10: v1(1463.3,3766.7) 1464.14,3767.55 1464.14,3804.14 1498,3838 1498,3881.94 1503.86,3887.8 U7.5@1534.76,3887.8
  Bottom Layer w10: v1(1463.3,3766.7) 1520,3710 1520,3696.57 2261.29,2955.28 2524.44,2955.28 2890,2589.72 2890,2285 2760,2155 2760,1599.15 3106.93,1252.22 3107.94,1252.22 3135,1225.17 U3.7@3135,1220
BNO555_INT: D4.A U2.9 U3.41 | length 1683.2
  Top Layer w10: U2.9@1632.08,3230.05 1639.55,3222.58 1679.86,3222.58 1724.66,3177.78 2195.02,3177.78 2333,3039.8 2333,2464.8 2392,2405.8 D4.A@2392,2405.01 2392,2363 U3.41@2535,2220
BR_IN1: U1.3 U3.30 | length 4555.8
  Top Layer w10: U1.3@4634,3319.3 4634.5,3319.8 4634.5,3402.5 v1(4635,3403)
  Bottom Layer w10: U3.30@2535,1120 2541.75,1113.25 2575.82,1113.25 3016.85,672.22 3154.79,672.22 3242,759.44 3242,1672.28 3375,1805.28 3375,2411 3508.42,2544.42 3993.4,2544.42 4280.45,2831.47 4280.45,3114.04 4569.4,3403 v1(4635,3403)
BR_IN2: U1.2 U3.29 | length 4638.9
  Top Layer w10: v1(4683,3403) 4683.5,3402.5 4683.5,3319.8 U1.2@4684,3319.3
  Bottom Layer w10: U3.29@2535,1020 2982.78,572.22 3154.79,572.22 3262,679.44 3262,1664 3395,1797 3395,2402.72 3516.28,2524 4004,2524 4300.45,2820.45 4300.45,2891.45 4683,3274 v1(4683,3403)
BR_OUT1: J1.1 U1.6 | length 553.4
  Top Layer w10: J1.1@4500,2660 4500,2720.57 4520,2740.57 v1(4520,2743) ; U1.6@4634,3106.7 4634.5,3106.2 4634.5,3015.5 v1(4635,3015)
  Bottom Layer w10: v1(4520,2743) 4520,2745.71 4524.98,2750.69 4524.98,2752.98 4539,2767 4625,2767 4635,2777 v1(4635,3015)